# Altium PCB PCB For IN12の世界线.PcbDoc (part 1 of 2)
Units mm, origin at the board's own origin, x right, y up, seen from the top; angles counter-clockwise.
Board outline 183 x 51 mm, 2 copper layers (Top Layer, Bottom Layer), stack 1.58 mm thick; 103 components, 141 nets, 605 pads, 220 vias.
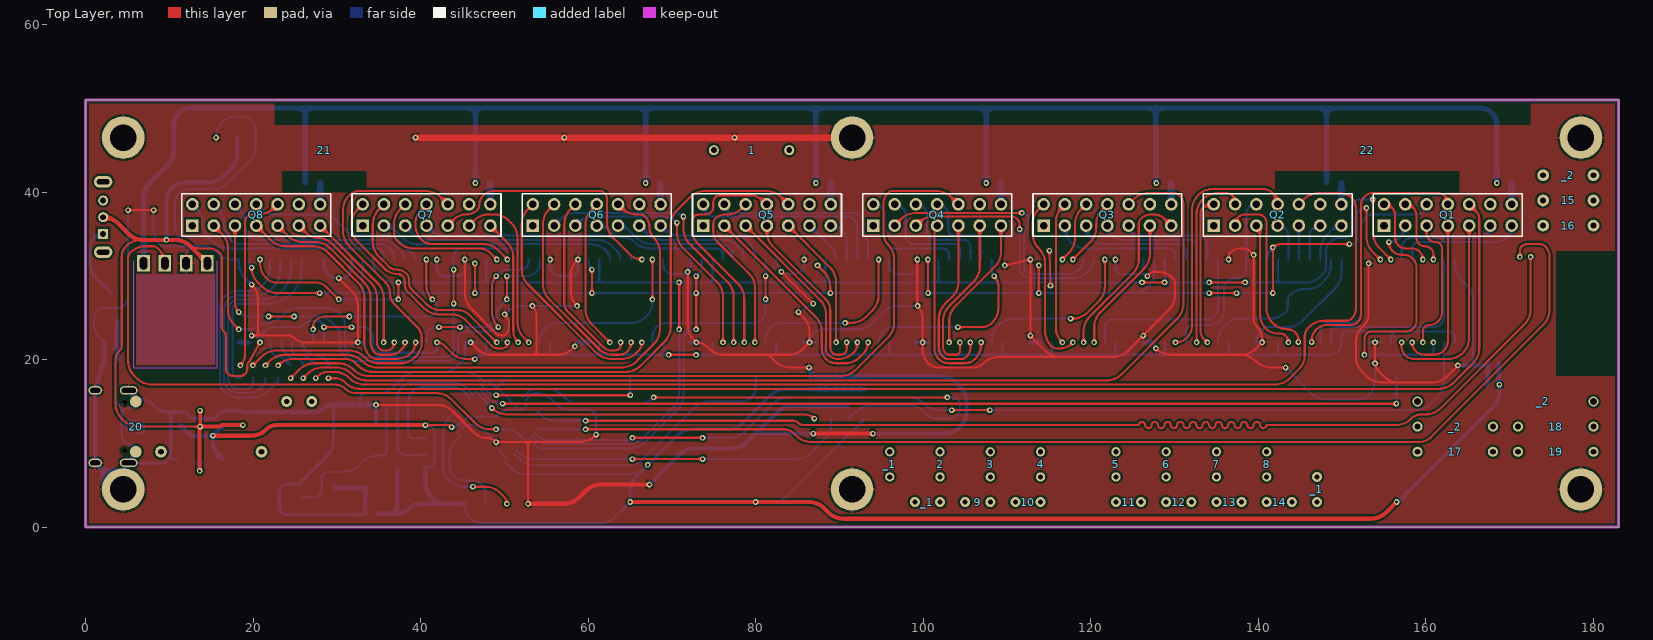
[diagram p0: Top Layer view]
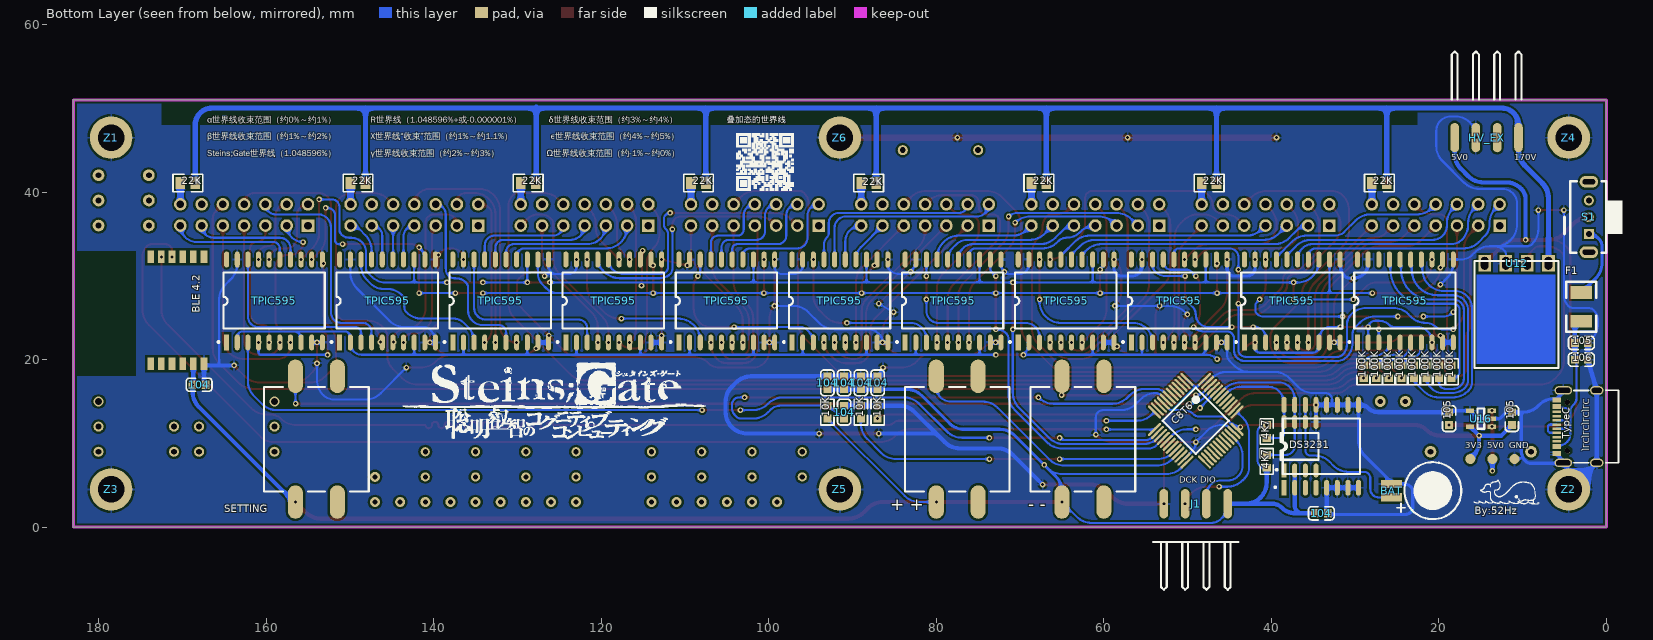
[diagram p1: Bottom Layer view, seen from below]

## Layer stack, top to bottom
Top Solder: solder mask 0.0102, Solder Resist, Dk 3.5
Top Layer: signal copper 0.0356
Dielectric 1: dielectric 1.5086, FR-4, Dk 4.8
Bottom Layer: signal copper 0.0356
Bottom Solder: solder mask 0.0102, Solder Resist, Dk 3.5

## Board outline
0,0 0,51 183,51 183,0

## Design rules (kind name [scope] priority, off if disabled: settings)
Clearance Clearance_1 [InPoly] p1: gap=0.254
Clearance [All] p2: gap=0.152
ComponentClearance ComponentClearance_1 [(InComponent('Q1') or InComponent('Q2') or InComponent('Q3') or InComponent('Q4') or InComponent('Q5') or InComponent('Q6') or InComponent('Q7') or InComponent('Q8'))] p1: gap=0 collisioncheckmode=3 verticalgap=0 showdistances=FALSE
ComponentClearance [All] p2: gap=0.152 collisioncheckmode=3 verticalgap=0.254 showdistances=FALSE
Height [All] p1: minheight=0 maxheight=2539.975 prefheight=12.7
PolygonConnect [All] p1: connectstyle=Relief reliefconductorwidth=0.254 reliefentries=4 polygonreliefangle="90 Angle" airgapwidth=0.254
RoutingVias [All] p1: holewidth=0.305 width=0.711 viastyle="Through Hole" minholewidth=0.305 minwidth=0.66 maxholewidth=0.711 maxwidth=1.27
SolderMaskExpansion [All] p1: expansion=0.102
Width [All] p1: maxlimit=0.762 minlimit=0.152 preferedwidth=0.254
28 further rules are at their usual default settings.

## Classes and differential pairs
component class "SCH For IN12の世界线MCU": BAT C1 C2 C4 C5 C6 C7 C8 C10 C11 C12 C13 F1 J1 K1 K2 R17 R18 R19 R20 R21 S1 SETTING U13 U14 U16 U17 U19
component class S1: HV_EX Q1 Q2 Q3 Q4 Q5 Q6 Q7 Q8 R1 R2 R3 R4 R5 R6 R7 R8 R9 R10 R11 R12 R13 R14 R15 R16 U1 U2 U3 U4 U5 U6 U7 U8 U9 U10 U11 U12 Z1 Z2 Z3 Z4

## Components (designator, comment, footprint, x,y, rotation, side; value= is the part's Value field where it differs from the comment)
1 "Comment" RES_0.4_1/4W 79.5,45 r180 top locked
2 "Comment" CAP_PR_1.5_4 102,7.5 r90 top locked
3 "Comment" CAP_PR_1.5_4 108,7.5 r90 top locked
4 "Comment" CAP_PR_1.5_4 114,7.5 r90 top locked
4K7 "4.7KΩ (4701) ±1%" LC-0603_R 40.554,7.858 r270 bottom (schematic designator R21)
4K7 "4.7KΩ (4701) ±1%" LC-0603_R 40.554,11.414 r90 bottom (schematic designator R20)
5 "Comment" CAP_PR_1.5_4 123,7.5 r90 top locked
6 "Comment" CAP_PR_1.5_4 129,7.5 r90 top locked
7 "Comment" CAP_PR_1.5_4 135,7.5 r90 top locked
8 "Comment" CAP_PR_1.5_4 141,7.5 r90 top locked
9 "Comment" RES_0.1 106.5,3 r0 top locked
10 "Comment" RES_0.1 112.5,3 r0 top locked
10K "10KΩ (1002) ±1%" LC-0603_R 93,13.73 r270 bottom (schematic designator R19)
10K "10KΩ (1002) ±1%" LC-0603_R 89,13.73 r90 bottom (schematic designator R18)
10K "10KΩ (1002) ±1%" LC-0603_R 87,13.73 r90 bottom (schematic designator R17)
11 "Comment" RES_0.1 124.5,3 r0 top locked
12 "Comment" RES_0.1 130.5,3 r0 top locked
13 "Comment" RES_0.1 136.5,3 r0 top locked
14 "Comment" RES_0.1 142.5,3 r0 top locked
15 "Comment" CAP_5.08MM#1 177,39 r180 top
16 "Comment" CAP_5.08MM#1 177,36 r180 top
17 "Comment" RES_0.4_1/4W 163.5,9 r180 top locked
18 "Comment" RES_0.4_1/4W 175.5,12 r180 top locked
19 "Comment" RES_0.4_1/4W 175.5,9 r180 top locked
20 "Comment" CAP_5.08MM#2 6,12 r270 top locked
21 "Comment" DIP_8 28.5,45 r0 top
22 "Comment" DIP_16 153,45 r0 top
22K "22KΩ (2202) ±1%" LC-0805_R 27.11,41.08 r180 bottom (schematic designator R8)
22K "22KΩ (2202) ±1%" LC-0805_R 47.43,41.08 r180 bottom (schematic designator R7)
22K "22KΩ (2202) ±1%" LC-0805_R 67.75,41.08 r180 bottom (schematic designator R6)
22K "22KΩ (2202) ±1%" LC-0805_R 88.07,41.08 r180 bottom (schematic designator R5)
22K "22KΩ (2202) ±1%" LC-0805_R 108.39,41.08 r180 bottom (schematic designator R4)
22K "22KΩ (2202) ±1%" LC-0805_R 128.71,41.08 r180 bottom (schematic designator R3)
22K "22KΩ (2202) ±1%" LC-0805_R 149.03,41.08 r180 bottom (schematic designator R2)
22K "22KΩ (2202) ±1%" LC-0805_R 169.35,41.08 r180 bottom (schematic designator R1)
100K "100KΩ (1003) ±1%" LC-0603_R 28.98,18.55 r90 bottom (schematic designator R16)
100K "100KΩ (1003) ±1%" LC-0603_R 27.48,18.55 r90 bottom (schematic designator R15)
100K "100KΩ (1003) ±1%" LC-0603_R 25.98,18.55 r90 bottom (schematic designator R14)
100K "100KΩ (1003) ±1%" LC-0603_R 24.48,18.55 r90 bottom (schematic designator R13)
100K "100KΩ (1003) ±1%" LC-0603_R 22.98,18.55 r270 bottom (schematic designator R12)
100K "100KΩ (1003) ±1%" LC-0603_R 21.48,18.55 r270 bottom (schematic designator R11)
100K "100KΩ (1003) ±1%" LC-0603_R 19.98,18.55 r270 bottom (schematic designator R10)
100K "100KΩ (1003) ±1%" LC-0603_R 18.48,18.55 r270 bottom (schematic designator R9)
104 "100nF (104) 10% 50V" LC-0603_C 168,17 r0 bottom (schematic designator C13)
104 "100nF (104) 10% 50V" LC-0603_C 34.036,1.652 r0 bottom (schematic designator C12)
104 "100nF (104) 10% 50V" LC-0603_C 87,17.23 r270 bottom (schematic designator C11)
104 "100nF (104) 10% 50V" LC-0603_C 89,17.23 r270 bottom (schematic designator C8)
104 "100nF (104) 10% 50V" LC-0603_C 91,17.23 r270 bottom (schematic designator C7)
104 "100nF (104) 10% 50V" LC-0603_C 93,17.23 r270 bottom (schematic designator C6)
104 "100nF (104) 10% 50V" LC-0603_C 91,13.73 r270 bottom (schematic designator C5)
105 "1uF (105) 10% 50V" LC-0603_C 11.286,12.954 r90 bottom (schematic designator C10)
105 "1uF (105) 10% 50V" LC-0603_C 18.786,12.954 r90 bottom (schematic designator C4)
105 "1uF (105) 10% 50V" LC-0603_C 3,22 r0 bottom (schematic designator C1)
106 "10uF (106) 10% 10V" LC-0603_C 3,20 r0 bottom (schematic designator C2)
"+ +" "--" SMD-12X12X6 79.913,18.12 r180 bottom locked (schematic designator K1)
"- -" "++" SMD-12X12X6 64.913,18.12 r180 bottom locked (schematic designator K2)
_1 "Comment" CAP_2.54MM 147,4.5 r90 top locked
_1 "Comment" RES_0.1 100.5,3 r0 top locked
_1 "Comment" CAP_PR_1.5_4 96,7.5 r90 top
_2 "Comment" RES_0.4_1/4W 163.5,12 r180 top locked
_2 "Comment" DO-41G 174,15 r180 top
_2 "Comment" CAP_5.08MM#1 177,42 r180 top
BAT "BAT" ML621FE 20.727,4.356 r180 bottom (schematic designator U?)
"BLE 4.2" "CH9141" BLE-SER 173.77,19.5 r90 bottom locked (schematic designator U19)
C8T6 "STM32F103C8T6" "LQFP48 7X7" 49.022,12.7 r315 bottom locked (schematic designator U14)
DS3231 "DS3231MR" SOIC_16W 34.036,9.652 r180 bottom (schematic designator U17)
F1 "MD075F-2" FUSE-1210 2.949,24.622 r90 bottom
HV_EX "HDR-1X4" HDR2.54-WS-4P 14.31,46.5 r180 bottom locked
J1 "SWD" HDR2.54-WS-4P 49.022,2.794 r0 bottom
Q1 "IN12B转接板" "NIXIE IN12 Trans" 155,36 r0 top locked
Q2 "IN12B转接板" "NIXIE IN12 Trans" 134.68,36 r0 top locked
Q3 "IN12B转接板" "NIXIE IN12 Trans" 114.36,36 r0 top locked
Q4 "IN12B转接板" "NIXIE IN12 Trans" 94.04,36 r0 top locked
Q5 "IN12B转接板" "NIXIE IN12 Trans" 73.72,36 r0 top locked
Q6 "IN12B转接板" "NIXIE IN12 Trans" 53.4,36 r0 top locked
Q7 "IN12B转接板" "NIXIE IN12 Trans" 33.08,36 r0 top locked
Q8 "IN12B转接板" "NIXIE IN12 Trans" 12.76,36 r0 top locked
S1 "MSK-12C01-07" SW_SK12D07 2.1,37.028 r90 bottom
SETTING "设置" SMD-12X12X6 156.413,18.12 r180 bottom locked (schematic designator K3)
TPIC595 "TPIC6B595" SOIC_20W 159,27 r180 bottom locked (schematic designator U11)
TPIC595 "TPIC6B595" SOIC_20W 145.5,27 r180 bottom locked (schematic designator U10)
TPIC595 "TPIC6B595" SOIC_20W 132,27 r180 bottom locked (schematic designator U9)
TPIC595 "TPIC6B595" SOIC_20W 118.5,27 r180 bottom locked (schematic designator U8)
TPIC595 "TPIC6B595" SOIC_20W 105,27 r180 bottom locked (schematic designator U7)
TPIC595 "TPIC6B595" SOIC_20W 91.5,27 r180 bottom locked (schematic designator U6)
TPIC595 "TPIC6B595" SOIC_20W 78,27 r180 bottom locked (schematic designator U5)
TPIC595 "TPIC6B595" SOIC_20W 64.5,27 r180 bottom locked (schematic designator U4)
TPIC595 "TPIC6B595" SOIC_20W 51,27 r180 bottom locked (schematic designator U3)
TPIC595 "TPIC6B595" SOIC_20W 37.5,27 r180 bottom locked (schematic designator U2)
TPIC595 "TPIC6B595" SOIC_20W 24,27 r180 bottom locked (schematic designator U1)
TypeC "TypeC 16Pin" Type-C 3.549,12.001 r180 bottom locked (schematic designator U13)
U12 "DCDC" VH-DuDu 15.73,31.75 r270 bottom
U16 "RT9193-33GB" SOT23_5 14.986,12.954 r180 bottom
Z1 "Z-Cu" M3x5_L 178.5,46.5 r180 bottom locked
Z2 "Z-Cu" M3x5_L 4.5,4.5 r180 bottom locked
Z3 "Z-Cu" M3x5_L 178.5,4.5 r180 bottom locked
Z4 "Z-Cu" M3x5_L 4.5,46.5 r180 bottom locked
Z5 "Z-Cu" M3x5_L 91.5,4.5 r180 bottom locked (schematic designator Z2)
Z6 "Z-Cu" M3x5_L 91.5,46.5 r180 bottom locked (schematic designator Z2)
? "Comment" SOIC_8 36.576,9.652 r180 bottom locked
? "Comment" LOGO3 11.938,2.794 r180 bottom
? "Comment" CAP_PR_2.0_5_RA 25.5,15 r180 top locked
? "Comment" "CT 10*6 - V" 15,9 r0 top locked

## Footprints (in the part's own frame and the unit in brackets; to place one, negate y for a bottom-side part, rotate by r counter-clockwise, add the part's x,y. Pads: shape width x height; smd on the part's side, far side on the other; paste and mask are expansions set on the pad)
BLE-SER [mm] "沁恒CH9141 BLE蓝牙串口"
  rect 1.5x0.8 smd: 1(0,0) 2(0,-1.27) 3(0,-2.54) 4(0,-3.81) 5(0,-5.08) 6(0,-6.35) 7(12.77,-6.35) 8(12.77,-5.08) 9(12.77,-3.81) 10(12.77,-2.54) 11(12.77,-1.27) 12(12.77,0)
  body extent -0.03,-7.71 12.8,8.9, height 0.7
CAP_2.54MM [mm]
  round 1.2 hole 0.6 mask+0: 1(-1.5,0) 2(1.5,0)
  body extent -2.92,-0.84 2.92,0.86, height 5.92
CAP_5.08MM#1 [mm]
  round 1.4 hole 0.7 mask+0: 1(-3,0) 2(3,0)
  body extent -2.84,-1.3 2.76,1.2, height 6
CAP_5.08MM#2 [mm]
  round 1.4 smd mask+0: 1(-3,0) 2(3,0)
  body extent -2.84,-1.3 2.76,1.2, height 10
CAP_PR_1.5_4 [mm] "4X7"
  round 1.1 hole 0.6 mask+0: 1(-1.5,0) 2(1.5,0)
  body extent -2,-2 2,2, height 7.1
CAP_PR_2.0_5_RA [mm] "5X11"
  body extent -2.53,-0.3 2.53,13.02, height 5.03
"CT 10*6 - V" [mm] "直径10mm，高6mm"
  round 1.4 hole 0.7 mask+0: 1(6,0) 2(-6,0)
  body extent -5.8,-5.15 5.8,5.15, height 6
DIP_8 [mm] "7.62"
  body extent -4.95,-3.91 4.96,3.91, height 8.57
DIP_16 [mm] "7.62"
  body extent -9.71,-3.91 9.71,3.91, height 8.57
DO-41G [mm]
  body extent -0.51,-1.23 8.89,1.27, height 2.55
FUSE-1210 [mil]
  rect 60x100 smd: 1(-2,2) 2(133,2)
  silkscreen extent -52,-68 183,72, body extent 8,-49 134,53, height 27
HDR2.54-WS-4P [mm] "4P卧式贴片排针2.54"
  oval 1.02x3.5 smd: 1(-3.81,0) 2(-1.27,0) 3(1.27,0) 4(3.81,0)
  silkscreen extent -4.16,4.57 4.16,10.29, body extent -5.08,-0.76 5.08,10.34, height 2.54
LC-0603_C [mm]
  rect 0.93x0.98 smd: 1(-0.77,0) 2(0.77,0)
  silkscreen extent -1.53,-0.79 1.54,0.79, body extent -0.8,-0.4 0.8,0.4, height 0.3
LC-0603_R [mm]
  rect 0.93x0.98 smd: 1(-0.77,0) 2(0.77,0)
  silkscreen extent -1.53,-0.79 1.54,0.79, body extent -0.85,-0.4 0.85,0.4, height 0.56
LC-0805_R [mm]
  rect 1.16x1.47 smd: 1(-0.89,0) 2(0.89,0)
  silkscreen extent -1.77,-1.04 1.77,1.03, body extent -1,-0.62 1,0.63, height 0.49
LOGO3 [mm] "LOGO"
  silkscreen extent -3.88,-0.07 3.89,2.83
"LQFP48 7X7" [mm]
  oval 0.3x2.1 smd: 1(-2.75,-4.227) 2(-2.25,-4.227) 3(-1.75,-4.227) 4(-1.25,-4.227) 5(-0.75,-4.227) 6(-0.25,-4.227) 7(0.25,-4.227) 8(0.75,-4.227) 9(1.25,-4.227) 10(1.75,-4.227) 11(2.25,-4.227) 12(2.75,-4.227) 25(2.75,4.202) 26(2.25,4.202) 27(1.75,4.202) 28(1.25,4.202) 29(0.75,4.202) 30(0.25,4.202) 31(-0.25,4.202) 32(-0.75,4.202) 33(-1.25,4.202) 34(-1.75,4.202) 35(-2.25,4.202) 36(-2.75,4.202)
  oval 2.1x0.3 smd: 13(4.227,-2.75) 14(4.227,-2.25) 15(4.227,-1.75) 16(4.227,-1.25) 17(4.227,-0.75) 18(4.227,-0.25) 19(4.227,0.25) 20(4.227,0.75) 21(4.227,1.25) 22(4.227,1.75) 23(4.227,2.25) 24(4.227,2.75) 37(-4.227,2.75) 38(-4.227,2.25) 39(-4.227,1.75) 40(-4.227,1.25) 41(-4.227,0.75) 42(-4.227,0.25) 43(-4.227,-0.25) 44(-4.227,-0.75) 45(-4.227,-1.25) 46(-4.227,-1.75) 47(-4.227,-2.25) 48(-4.227,-2.75)
  silkscreen extent -2.79,-2.79 2.79,2.79, body extent -4.51,-4.5 4.5,4.5, height 1.45
M3x5_L [mm] "M3铜柱，长：5mm"
  round 5.08 hole 3.175: 1(0,0)
  body extent -2.7,-2.35 2.7,2.35, height 5.05
ML621FE [mm] "可充电纽扣电池"
  rect 2.5x1 smd: 1(-4.927,-0.8) 2(-4.927,0.8)
  silkscreen extent -4.32,-3.4 3.4,3.4, body extent -5.5,-3.4 3.4,3.4, height 2.45
"NIXIE IN12 Trans" [mm] "IN12B转接板 2x7贴片排母"
  rect 1.5x1.5 hole 0.9: 1(0,0)
  round 1.5 hole 0.9: 2(0,2.54) 3(2.54,0) 4(2.54,2.54) 5(5.08,0) 6(5.08,2.54) 7(7.62,0) 8(7.62,2.54) 9(10.16,0) 10(10.16,2.54) 11(12.7,0) 12(12.7,2.54) 13(15.24,0) 14(15.24,2.54)
  silkscreen extent -1.27,-1.27 16.51,3.81, body extent -2.88,-31.61 18.12,3.81, height 44.06
RES_0.1 [mm]
  round 1.2 hole 0.6 mask+0: 1(-1.5,0) 2(1.5,0)
  body extent -2.18,-0.9 1.53,0.94, height 6.75
RES_0.4_1/4W [mm]
  round 1.2 hole 0.7 mask+0: 1(-4.5,0) 2(4.5,0)
  body extent -5.38,-1.25 5.38,1.27, height 2.56
SMD-12X12X6 [mm]
  oval 1.8x4 smd: 1(-0.087,-0.12) 2(4.913,-0.12) 3(-0.087,-15.12) 4(4.913,-15.12)
  silkscreen extent -3.84,-13.87 8.66,-1.37, body extent -3.71,-15.11 8.29,0.09, height 6.15
SOIC_8 [mm]
  rect 0.6x1.65 smd: 1(-1.905,-2.9)
  oval 0.6x1.65 smd: 2(-0.635,-2.9) 3(0.635,-2.9) 4(1.905,-2.9) 5(1.905,2.9) 6(0.635,2.9) 7(-0.635,2.9) 8(-1.905,2.9)
  silkscreen extent -2.9,-2.9 2.2,1.6, body extent -2.5,-3.01 2.5,3.01, height 1.75
SOIC_16W [mm] "7.4"
  rect 0.6x1.9 smd: 1(-4.445,-4.95)
  oval 0.6x1.9 smd: 2(-3.175,-4.95) 3(-1.905,-4.95) 4(-0.635,-4.95) 5(0.635,-4.95) 6(1.905,-4.95) 7(3.175,-4.95) 8(4.445,-4.95) 9(4.445,4.95) 10(3.175,4.95) 11(1.905,4.95) 12(0.635,4.95) 13(-0.635,4.95) 14(-1.905,4.95) 15(-3.175,4.95) 16(-4.445,4.95)
  silkscreen extent -5.6,-5 4.6,3.32, body extent -5.1,-5.15 5.1,5.15, height 3.5
SOIC_20W [mm] "7.4"
  rect 0.6x1.9 smd: 1(-5.715,-4.95)
  oval 0.6x1.9 smd: 2(-4.445,-4.95) 3(-3.175,-4.95) 4(-1.905,-4.95) 5(-0.635,-4.95) 6(0.635,-4.95) 7(1.905,-4.95) 8(3.175,-4.95) 9(4.445,-4.95) 10(5.715,-4.95) 11(5.715,4.95) 12(4.445,4.95) 13(3.175,4.95) 14(1.905,4.95) 15(0.635,4.95) 16(-0.635,4.95) 17(-1.905,4.95) 18(-3.175,4.95) 19(-4.445,4.95) 20(-5.715,4.95)
  silkscreen extent -6.8,-5 6,3.4, body extent -6.52,-5.15 6.48,5.18, height 2.8
SOT23_5 [mm]
  rect 1x0.55 smd: 1(1.3,-0.95) 2(1.3,0) 3(1.3,0.95) 4(-1.3,0.95) 5(-1.3,-0.95)
  silkscreen extent -0.4,-1.21 0.4,1.19, body extent -1.52,-1.51 1.48,1.49, height 1.3
SW_SK12D07 [mm]
  rect 1.2x1.2 hole 0.7: 1(-2.027,0)
  round 1.2 hole 0.7: 2(-0.028,0) 3(1.973,0)
  oval 1.4x2.2 hole 0.6 slot 1.5 at 90 deg: X1(-4.2,0) X2(4.2,0)
  silkscreen extent -4.27,-4 4.27,2.2, body extent -4.3,-4.7 4.3,2.3, height 4.7
Type-C [mm] "16Pin"
  round 0.65 hole 0.65: 0(-1.105,-2.89) 0(-1.105,2.89)
  oval 1.6x1 hole 0.6 slot 1.2 at 0 deg: 1(2.395,4.325) 2(2.395,-4.325)
  oval 2.1x1 hole 0.6 slot 1.7 at 0 deg: 3(-1.605,-4.325) 4(-1.605,4.325)
  rect 1x0.3 smd: A1(-2.395,-3.35) A4(-2.395,-2.55) A5(-2.395,-1.25) A6(-2.395,-0.25) A7(-2.395,0.25) A8(-2.395,1.25) A9(-2.395,2.55) A12(-2.395,3.35) B1(-2.395,3.05) B4(-2.395,2.25) B5(-2.395,1.75) B6(-2.395,0.75) B7(-2.395,-0.75) B8(-2.395,-1.75) B9(-2.395,-2.25) B12(-2.395,-3.05)
  silkscreen extent -0.34,-4.33 4.99,4.33, body extent -2.39,-4.44 5.19,4.5, height 3.29
VH-DuDu [mm] "SaDuDu 升压模块"
  rect 2x1.5 hole 0.9 slot 1.5 at 0 deg: 1(0.25,1.19) 2(0.25,3.73) 3(0.25,6.27) 4(0.25,8.81)
  Keep-Out Layer lines w0.1: 0,10 12.75,10 12.75,0 0,0
  silkscreen extent 0,0 12.75,10, body extent 1.5,0 12.75,10, height 4

## Part data
4K7 4K7: library part "0603 4.7KΩ (4701) 1%", "贴片电阻"
10K 10K 10K: library part "0603 10KΩ (1002) 1%", "贴片电阻"
22K 22K 22K 22K 22K 22K 22K 22K: library part "0805 22KΩ (2202) 1%", "贴片电阻"
100K 100K 100K 100K 100K 100K 100K 100K: library part "0603 100KΩ (1003) 1%", "贴片电阻"
104 104 104 104 104 104 104: library part "0603 100nF (104) 10% 50V", "贴片电容"
105 105 105: library part "0603 1uF (105) 10% 50V", "贴片电容"
106: library part "0603 10uF (106) 10% 10V", "贴片电容"
"+ +" "- -" SETTING: library part KEY
"BLE 4.2": "WCH沁恒低功耗BLE蓝牙"
DS3231: library part DS3231, "实时时钟芯片"
F1: library part FUSE
HV_EX: library part "Header 4", "4P接插件"
J1: "STM32 SWD下载"
Q1 Q2 Q3 Q4 Q5 Q6 Q7 Q8: library part "NIXIE IN-12B转接板", "CCCP IN12B转接板"
TPIC595 TPIC595 TPIC595 TPIC595 TPIC595 TPIC595 TPIC595 TPIC595 TPIC595 TPIC595 TPIC595: "8bits译码驱动器"
TypeC: library part TypeC
U12: library part 5V->VH, "5V升压驱动"
U16: "3.3V/300mA低压差LDO"
Z1 Z2 Z3 Z4 Z5 Z6: "Cu"

## Free pads (board coordinates)
  round 1.3 hole 0.65 mask+0: 1(24,15) 2(27,15)
  round 1.2 hole 0.8 mask+0: 16(180,15) 17(159,15)
  round 1.2 smd far side: 18(16.256,8.128) 19(13.614,8.128) 20(10.973,8.128)

## Via types
v1: diameter 0.66, hole 0.356, Top Layer to Bottom Layer, 220 vias

## Nets (pads, with @x,y where several pads share a name; then routed paths per layer and width w, separated by ;. In a path a pad name is that pad's centre, name@x,y a point inside that pad or via, vN(x,y) a via of type N, cw(c..) or ccw(c..) an arc to the next point about the centre after c; other vN are vias at no path point)
3V3_BUS: 4K7.2 10K.2@93,12.96 104.2@34.806,1.652 104.2@87,16.46 104.2@89,16.46 104.2@91,16.46 104.2@93,16.46 104.2@168.77,17 105.1@11.286,12.184 "+ +.3" "- -.3" "BLE 4.2.5" ?.2@37.211,6.752 C8T6.1 C8T6.9 C8T6.24 C8T6.36 C8T6.48 DS3231.2 J1.1 pad.18 SETTING.3 U16.5 | length 288.8
  Top Layer w0.254: v1(40.554,12.184) 43.094,12.184 cw(c43.094,11.344) v1(43.688,11.938)
  Top Layer w0.508: v1@15.24,10.922 19.776,10.922 ccw(c19.776,13.462) 21.572,11.666 21.59,11.684 cw(c22.797,10.477) 22.797,12.184 v1(40.554,12.184) ; v1(65,3) v1(80,3) 86.372,3 cw(c86.372,0.46) 88.168,2.256 88.664,1.76 ccw(c90.46,3.556) 90.46,1.016 153.464,1.016 ccw(c153.464,3.556) 155.26,1.76 v1(156.5,3)
  Bottom Layer w0.254: 4K7.2@40.554,7.088 40.731,7.088 ccw(c40.731,8.037) 41.402,7.366 ccw(c40.789,7.979) 41.656,7.979 41.656,11.325 ccw(c40.789,11.325) 41.402,11.938 ccw(c40.808,11.344) 40.808,12.184 v1(40.554,12.184) ; v1(43.688,11.938) v1@43.759,11.938 ; C8T6.36@44.715,12.282 45.405,12.972 cw(c45.974,12.404) 45.974,13.208 48.663,13.208 ccw(c48.663,14.075) 49.276,13.462 cw(c50.502,12.236) 50.502,13.97 51.85,13.97 ; J1.1@45.212,2.794 ccw(c47.665,2.794) 45.93,1.06 45.974,1.016 ccw(c47.2,2.242) 47.2,0.508 61.456,0.508 ccw(c61.456,3.048) 63.252,1.252 v1(65,3) ; C8T6.48@47.978,17.633 48.847,16.764 49.197,16.764 ; C8T6.24@50.066,7.767 50.739,7.094 ccw(c52.535,8.89) 52.535,6.35 64.988,6.35 ccw(c64.988,8.89) 66.784,7.094 v1(67.11,7.42) 67.437,7.747 ; C8T6.1@50.066,17.633 49.197,16.764 ; C8T6.9@52.895,14.805 52.06,13.97 51.85,13.97 ; v1(80,3) 81.988,3 ccw(c81.988,5.54) 83.784,3.744 10K.2@93,12.96 ; 49.197,16.764 49.197,16.623 51.85,13.97
  Bottom Layer w0.381: v1@43.759,11.938 ccw(c43.759,13.239) C8T6.36@44.679,12.319 ; v1(65,3) 65,4.258 cw(c67.54,4.258) 65.744,6.054 66.784,7.094 ; 67.437,7.747 70.63,10.94 cw(c72.426,9.144) 72.426,11.684 76.672,11.684 ccw(c76.672,14.224) 78.468,12.428 81.756,15.716 cw(c83.552,13.92) 83.552,16.46 104.2@87,16.46
  Bottom Layer w0.508: 105.1@11.286,12.184 12.548,10.922 v1(15.204,10.922) ; pad.18@16.256,8.128 15.948,8.436 cw(c17.744,10.232) 15.204,10.232 v1(15.204,10.922) ; U16.5@16.286,12.004 v1(15.204,10.922) ; 104.2@34.806,1.652 36.295,1.652 ; ?.2@37.211,6.752 DS3231.2@37.211,4.702 37.211,2.568 cw(c36.295,2.568) 36.295,1.652 ; 4K7.2@40.554,7.088 40.554,5.334 ccw(c43.094,5.334) 43.094,2.794 ; J1.1@45.212,2.794 43.094,2.794 ; 104.2@87,16.46 104.2@89,16.46 104.2@91,16.46 104.2@93,16.46 ; v1(156.5,3) ccw(c156.5,3.41) SETTING.3@156.79,3.12 ; SETTING.3@156.79,3.12 168.026,14.356 ccw(c166.23,16.152) 168.77,16.152 v1(168.77,17) 168.69,17.08 168.69,19.5 ; 36.295,1.652 37.143,1.652 ccw(c37.143,3.903) 38.735,2.311 cw(c39.9,1.146) 39.9,2.794 43.094,2.794
5V_BUS: 105.1@18.786,12.184 HV_EX.1 pad.19 S1.2 TPIC595.2 TPIC595.8 U12.1 U16.1 U16.3 | length 281.8
  Top Layer w0.254: 6.894,34.29 6.64,34.29 ccw(c6.64,31.75) 4.844,33.546 ccw(c6.114,32.276) 4.318,32.276 4.318,21.695 cw(c3.451,21.695) 4.064,21.082 ccw(c5.29,19.856) 3.556,19.856 3.556,14.768 ccw(c6.096,14.768) 4.3,12.972 4.524,12.748 ccw(c6.32,14.544) 6.32,12.004 v1(13.686,12.004) ; 12.766,33.274 14.776,33.274 cw(c14.776,31.54) 16.002,32.766 cw(c15.389,32.153) 16.256,32.153 16.256,23.981 ccw(c17.123,23.981) 16.51,23.368 cw(c15.897,22.755) 16.764,22.755 16.764,18.796 ccw(c17.377,18.796) 16.944,18.362 17.018,18.288 ccw(c17.631,18.901) 17.631,18.034 18.437,18.034 ccw(c18.437,18.901) 19.05,18.288 ccw(c18.437,18.901) 19.304,18.901 19.304,19.199 cw(c20.171,19.199) 19.558,19.812 v1(20.825,22.05) ; v1(28.448,23.876) v1(31.75,23.876) ; v1(41.945,22.05) cw(c41.945,20.792) 42.834,21.682 43.706,20.81 ccw(c45.502,22.606) 45.502,20.066 v1(46.482,20.066) ; v1(69.596,20.574) v1(72.898,20.574)